# Altium PCB GameBoard_V1I1.PcbDoc (part 18 of 22)
Units mil, origin at the board's own origin, x right, y up, seen from the top; angles counter-clockwise.
Board outline 7165.35 x 2814.96 mil, 12 copper layers (L1, L2, L3, L4, L5 (PWR), L6 (PWR), L7 (PWR), L8 (PWR), L9, L10, L11, L12), stack 61.575 mil thick; 1551 components, 1072 nets, 5467 pads, 3785 vias.
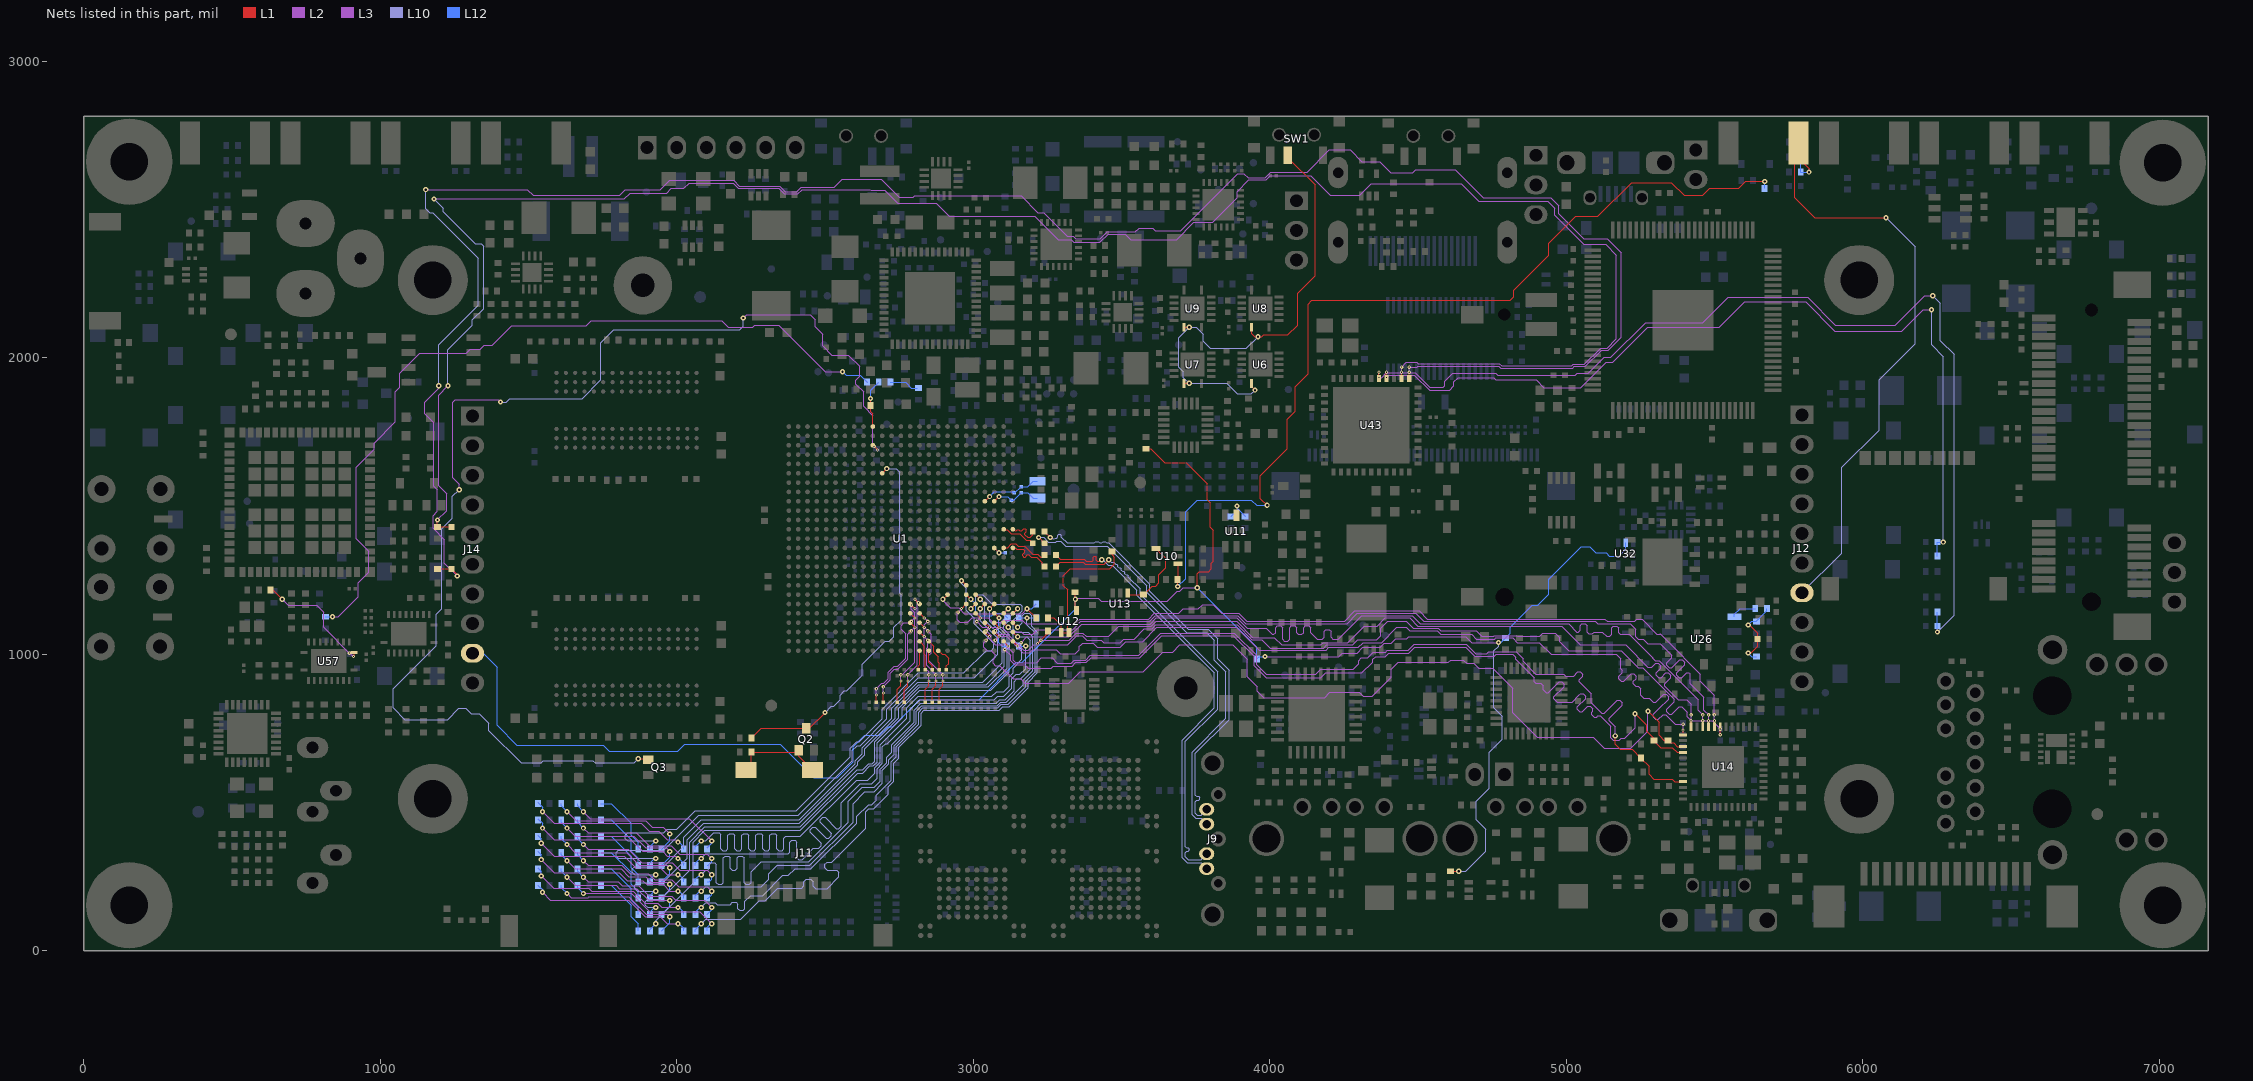
[diagram p28: the nets of this part, all layers, seen from the top]

## Via types
v1: diameter 17.72, hole 7.87, L1 to L12, 1935 vias
v2: diameter 17.72, hole 7.87, L1 to L12, tented both sides, 995 vias
v3: diameter 10.63, hole 3.94, L1 to L2, 334 vias
v4: diameter 11.81, hole 3.94, L2 to L3, 334 vias
v5: diameter 10.63, hole 3.94, L11 to L12, 94 vias
v6: diameter 11.81, hole 3.94, L10 to L11, 93 vias

## Nets (pads, with @x,y where several pads share a name; then routed paths per layer and width w, separated by ;. In a path a pad name is that pad's centre, name@x,y a point inside that pad or via, vN(x,y) a via of type N, cw(c..) or ccw(c..) an arc to the next point about the centre after c; other vN are vias at no path point) (continued)
RGMII_RXD2: R135.1 U1.B24 U14.28 | length 3084.1
  L1 w3.15: U1.B24@3102.36,1043.31 v3(3118.11,1027.56) ; v1(5232.28,799.21) 5271.65,759.84 5271.65,740.16 5295.28,716.54 R135.1@5295.28,708.66 5318.9,685.04 5358.27,685.04 5374.41,668.9 U14.28@5394.09,668.9
  L3 w3.15: v4(3106.3,1015.75) 3125.98,996.06 3125.98,977.05 3139.46,963.58 3174.21,963.58 3185.04,952.76 3262.59,952.76 3269.48,959.65 3333.66,959.65 3346.46,972.44 3381.89,972.44 3397.64,988.19 3561.39,988.19 3636.19,1062.99 3877.28,1062.99 3947.83,992.43 3947.83,960.78 3988.34,920.28 4172.24,920.28 4188.77,936.8 4310.81,936.8 4347.44,973.43 4347.44,982.49 4357.07,992.13 4390.44,992.13 4402.25,1003.94 4469.02,1003.94 4488.71,1023.62 4661.57,1023.62 4692.09,993.11 4756.89,993.11 4763.78,1000 4820.09,1000 4829.72,990.37 4829.72,983.21 4892.66,920.28 4892.66,906.55 4896.83,902.38 4905.19,902.38 4913.54,902.38 4921.89,894.03 4921.89,880.28 4933.07,869.09 4938.72,869.09 4976.25,906.63 4984.6,906.63 4992.95,898.27 4992.95,889.92 4958.66,855.63 4958.66,848.9 4968.98,838.58 5019.69,838.58 5043.9,862.8 5044.38,862.8 5048.78,867.21 5057.13,867.21 5065.48,858.86 5065.48,850.5 5037.46,822.48 5037.46,814.13 5045.81,805.78 5054.16,805.78 5073.37,824.98 5081.72,824.98 5090.07,816.63 5090.07,808.28 5085.9,804.1 5085.9,795.75 5094.25,787.4 5102.6,787.4 5106.78,791.58 5115.13,791.58 5150.59,756.12 5150.59,718.29 5159.24,709.65 5178.15,709.65 5185.04,716.54 5196.85,716.54 5232.28,751.97 v1(5232.28,799.21)
  L2 w3.15: v4(3106.3,1015.75) v3(3118.11,1027.56)
RGMII_RXD3: R134.1 U1.D23 U14.27 | length 3090.5
  L1 w3.15: U1.D23@3039.37,1074.8 v3(3055.12,1059.06) ; v1(5275.59,807.09) 5276.78,807.09 5312.99,770.88 5312.99,726.38 5330.71,708.66 R134.1@5342.52,708.66 5350.39,700.79 5362.2,700.79 5374.41,688.58 U14.27@5394.09,688.58
  L3 w3.15: v4(3043.31,1047.24) 3035.43,1039.37 3035.43,1023.62 3047.24,1011.81 3060.25,1011.81 3074.8,997.26 3074.8,989.38 3066.93,981.51 3066.93,969.44 3074.8,961.57 3089.94,961.57 3135.17,916.34 3159.66,916.34 3174.42,901.57 3321.64,901.57 3361.01,940.94 3572.83,940.94 3639.09,1007.2 3672.24,1007.2 3696.54,1031.5 3875.37,1031.5 3924.21,982.65 3924.21,924.43 3957.68,890.96 3957.68,875.77 3980.1,853.35 4185.04,853.35 4202.76,871.06 4302.17,871.06 4314.96,858.27 4346.46,858.27 4410.43,922.24 4410.43,949.8 4433.07,972.44 4602.36,972.44 4610.24,980.31 4653.54,980.31 4664.37,969.49 4687.62,969.49 4704.72,952.38 4752.35,952.38 4818.9,885.83 4818.9,803.15 4901.57,720.47 5090.55,720.47 5128.94,682.09 5217.52,682.09 5275.59,740.16 v1(5275.59,807.09)
  L2 w3.15: v4(3043.31,1047.24) v3(3055.12,1059.06)
RGMII_RXDV: R132.1 U1.D22 U14.33 | length 3088.4
  L1 w3.15: U1.D22@3039.37,1106.3 v3(3055.12,1090.55) ; v1(5165.35,724.41) 5165.35,696.85 5183.07,679.13 5222.44,679.13 R132.1@5251.97,649.61 5279.53,622.05 5279.53,594.49 5295.28,578.74 5358.27,578.74 5366.54,570.47 U14.33@5394.09,570.47
  L3 w3.15: v4(3043.31,1078.74) 3059.94,1062.11 3059.94,1045.4 3073.85,1031.5 3108.5,1031.5 3134.84,1005.16 3134.84,979.33 3142.72,971.46 3214.26,971.46 3230.01,987.2 3265.96,987.2 3283.46,969.7 3330.55,969.7 3341.17,980.31 3378.63,980.31 3394.38,996.06 3558.13,996.06 3632.93,1070.87 3880.54,1070.87 3955.71,995.7 3955.71,964.36 3987.98,932.09 4154.68,932.09 4172.4,949.8 4281.71,949.8 4300.2,968.29 4300.2,978.56 4308.85,987.2 4329.88,987.2 4349.57,1006.89 4390.96,1006.89 4396.86,1012.8 4466.75,1012.8 4487.41,1033.46 4662.87,1033.46 4695.35,1000.98 4732.59,1000.98 4739.48,1007.87 4830.71,1007.87 4854.33,984.25 4854.33,976.38 4897.64,933.07 4990.93,933.07 4997.82,926.18 5024.61,926.18 5039.37,940.94 5047.24,940.94 5055.12,933.07 5055.12,925.2 5043.31,913.39 5043.31,906.71 5083.66,866.35 5083.66,836.4 5119.42,800.65 5127.77,800.65 5172.27,845.15 5180.63,845.15 5188.98,836.8 5188.98,828.45 5144.48,783.94 5144.48,775.59 5165.35,754.71 v1(5165.35,724.41)
  L2 w3.15: v4(3043.31,1078.74) v3(3055.12,1090.55)
RGMII_TXCLK: R37.2 U14.24 | length 2681.5
  L1 w3.15: v3(3216.54,1035.43) 3251.97,1070.87 R37.2@3251.97,1078.74 ; U14.24@5421.26,755.12 v3(5421.26,775.59)
  L3 w3.15: v4(3228.35,1047.24) 3322.99,1047.24 3346.61,1070.87 3370.08,1070.87 3380.91,1060.04 3457.68,1060.04 3491.14,1093.5 3600.14,1093.5 3616.88,1110.24 3889.09,1110.24 3943.22,1056.1 4015.96,1056.1 4040.56,1031.5 4172.55,1031.5 4180.43,1039.37 4263.78,1039.37 4295.28,1070.87 4318.9,1094.49 4362.36,1094.49 4389.92,1122.05 4472.44,1122.05 4500,1094.49 4984.25,1094.49 5047.66,1031.08 5200.79,1031.08 5275.17,956.69 5288.65,956.69 5301.44,969.49 5309.8,969.49 5318.15,961.14 5318.15,952.79 5303.32,937.96 5303.32,929.61 5311.68,921.26 5320.03,921.26 5335.31,936.54 5343.66,936.54 5352.01,928.19 5352.01,919.84 5346.01,913.83 5332.13,899.95 5332.13,892.28 5377.95,846.46 5406.5,846.46 5421.26,831.69 v4(5421.26,795.28)
  L2 w3.15: v3(3216.54,1035.43) v4(3228.35,1047.24) ; v3(5421.26,775.59) v4(5421.26,795.28)
RGMII_TXD0: U1.C22 U14.19 | length 2957.1
  L1 w3.15: U1.C22@3070.87,1106.3 v3(3086.61,1090.55) ; v3(5519.69,728.35) U14.19@5519.69,755.12
  L3 w3.15: v4(3074.8,1078.74) 3085.63,1067.91 3115.93,1067.91 3171.05,1012.8 3186.02,1012.8 3204.72,1031.5 3318.38,1031.5 3348.89,1062.01 3367.8,1062.01 3382.57,1047.24 3432.33,1047.24 3440.2,1039.37 3496.06,1039.37 3507.87,1051.18 3542.44,1051.18 3576.89,1085.63 3603.4,1085.63 3616.2,1098.43 3889.76,1098.43 3939.96,1048.23 3973.81,1048.23 4001.37,1020.67 4182.09,1020.67 4192.91,1031.5 4279.53,1031.5 4296.26,1048.23 4360.45,1048.23 4375,1062.78 4375,1087.6 4397.64,1110.24 4460.63,1110.24 4484.25,1086.61 4568.92,1086.61 4576.8,1078.74 4696.85,1078.74 4715.55,1060.04 4754.92,1060.04 4757.87,1062.99 4833.45,1062.99 4836.4,1060.04 4910.43,1060.04 4921.26,1070.87 4962.6,1070.87 4978.35,1055.12 4978.35,1041.34 5007.87,1011.81 5185.87,1011.81 5242.9,954.78 5257.82,954.78 5364.47,848.13 5364.47,839.78 5338.69,814 5338.69,805.65 5347.05,797.3 5355.4,797.3 5381.17,823.07 5389.53,823.07 5408.46,804.13 5408.46,788.39 5421.26,775.59 5492.13,775.59 v4(5519.69,748.03)
  L2 w3.15: v4(3074.8,1078.74) v3(3086.61,1090.55) ; v3(5519.69,728.35) v4(5519.69,748.03)
RGMII_TXD1: U1.F20 U14.20 | length 2953.2
  L1 w3.15: v3(2960.63,1153.54) U1.F20@2976.38,1169.29 ; U14.20@5500,755.12 v3(5500,775.59)
  L3 w3.15: v4(2948.82,1141.73) 2945.87,1138.78 2945.87,1115.93 2954.51,1107.28 2981.3,1107.28 2996.06,1122.05 3051.18,1122.05 3065.94,1107.28 3092.73,1107.28 3099.62,1114.17 3165.35,1114.17 3177.17,1102.36 3343.87,1102.36 3359.62,1118.11 3591.34,1118.11 3611.03,1137.8 3693.56,1137.8 3708.33,1152.56 3759.02,1152.56 3773.76,1167.3 3809.08,1167.3 3838.58,1137.8 3895.49,1137.8 3922.06,1111.22 4252.95,1111.22 4287.4,1145.67 4503.94,1145.67 4531.5,1118.11 5129.92,1118.11 5137.8,1110.24 5231.09,1110.24 5237.98,1117.13 5255.7,1117.13 5304.91,1067.91 5317.14,1067.91 5317.53,1068.3 5390.75,995.08 5390.75,993.88 5399.4,985.24 5400.59,985.24 5452.76,933.07 5452.76,909.45 5500,862.2 v4(5500,795.28)
  L2 w3.15: v4(2948.82,1141.73) v3(2960.63,1153.54) ; v3(5500,775.59) v4(5500,795.28)
RGMII_TXD2: U1.E21 U14.21 | length 2960.7
  L1 w3.15: U1.E21@3007.87,1137.8 v3(3023.62,1122.05) ; U14.21@5480.32,755.12 v3(5480.32,775.59)
  L3 w3.15: v4(3011.81,1110.24) 3030.51,1091.54 3096.25,1091.54 3112,1075.79 3161.63,1075.79 3170.49,1066.93 3200.79,1066.93 3216.54,1082.68 3335.32,1082.68 3362.88,1110.24 3594.6,1110.24 3614.29,1129.92 3892.23,1129.92 3918.8,1103.35 4260.83,1103.35 4295.28,1137.8 4492.13,1137.8 4519.69,1110.24 5098.43,1110.24 5106.3,1102.36 5216.54,1102.36 5234.55,1084.35 5234.55,1058.58 5242.9,1050.23 5251.25,1050.23 5259.6,1050.23 5275.38,1034.45 5317.14,1034.45 5355.67,995.92 5355.67,987.57 5339.46,971.36 5339.46,963.01 5347.82,954.66 5356.17,954.66 5383.33,981.82 5391.68,981.82 5400.03,973.47 5400.03,965.12 5372.87,937.95 5372.87,929.6 5381.22,921.25 5389.57,921.25 5405.78,937.46 5414.13,937.46 5418.31,933.28 5418.31,900.59 5464.57,854.33 5464.57,811.02 v4(5480.32,795.28)
  L2 w3.15: v4(3011.81,1110.24) v3(3023.62,1122.05) ; v3(5480.32,775.59) v4(5480.32,795.28)
RGMII_TXD3: U1.A24 U14.22 | length 2960.2
  L1 w3.15: U1.A24@3133.86,1043.31 v3(3149.61,1027.56) ; U14.22@5460.63,755.12 v3(5460.63,775.59)
  L3 w3.15: v4(3161.42,1039.37) 3181.1,1059.06 3322.83,1059.06 3365.16,1101.38 3596.88,1101.38 3617.55,1122.05 3888.97,1122.05 3924.4,1086.61 3988.19,1086.61 4007.87,1066.93 4013.78,1066.93 4019.69,1072.83 4019.69,1089.57 4025.59,1095.47 4037.4,1095.47 4043.31,1089.57 4043.31,1050.2 4049.21,1044.29 4061.02,1044.29 4066.93,1050.2 4066.93,1089.57 4072.83,1095.47 4084.65,1095.47 4090.55,1089.57 4090.55,1072.83 4096.46,1066.93 4108.27,1066.93 4114.17,1072.83 4114.17,1089.57 4120.08,1095.47 4131.89,1095.47 4137.8,1089.57 4137.8,1072.83 4159.45,1051.18 4177.16,1051.18 4183.07,1057.09 4183.07,1077.26 4188.98,1083.17 4200.79,1083.17 4206.69,1077.26 4206.69,1057.09 4212.6,1051.18 4231.09,1051.18 4309.83,1129.92 4480.31,1129.92 4507.87,1102.36 5007.87,1102.36 5035.43,1074.8 5041.34,1074.8 5047.24,1080.71 5047.24,1096.46 5053.15,1102.36 5064.96,1102.36 5070.87,1096.46 5070.87,1074.55 5076.77,1068.65 5088.58,1068.65 5094.74,1074.8 5122.05,1074.8 5136.36,1060.49 5147.64,1060.49 5153.54,1066.4 5153.54,1088.58 5159.45,1094.49 5171.26,1094.49 5177.17,1088.58 5177.17,1072.83 5183.07,1066.93 5212.6,1066.93 5292.32,987.2 5292.32,986.01 5300.97,977.36 5313.98,977.36 5444.88,846.46 5444.88,811.02 v4(5460.63,795.28)
  L2 w3.15: v3(3149.61,1027.56) v4(3161.42,1039.37) ; v3(5460.63,775.59) v4(5460.63,795.28)
RGMII_TXEN: U1.C23 U14.25 | length 2953.3
  L1 w3.15: U1.C23@3070.87,1074.8 v3(3086.61,1059.06) ; U14.25@5394.09,727.95 v3(5394.09,743.7)
  L3 w3.15: v4(3074.8,1047.24) 3087.56,1060 3112.71,1060 3167.79,1004.92 3189.96,1004.92 3200.79,1015.75 3279.53,1015.75 3294.29,1000.98 3344.7,1000.98 3358.27,1014.55 3358.27,1026.44 3364.31,1032.48 3364.38,1032.48 3368.53,1036.63 3405.51,1036.63 3418.52,1023.62 3496.06,1023.62 3514.76,1042.32 3533.67,1042.32 3533.72,1042.27 3571.18,1042.27 3619.46,1090.55 3886.5,1090.55 3964.26,1012.8 4189.96,1012.8 4199.8,1022.64 4298.23,1022.64 4314.96,1039.37 4377.28,1039.37 4428.46,1090.55 4460.63,1090.55 4472.44,1078.74 4565.66,1078.74 4577.47,1066.93 4681.1,1066.93 4696.85,1051.18 4759.17,1051.18 4763.1,1055.12 4818.9,1055.12 4834.65,1039.37 4909.45,1039.37 4948.82,1000 5168.06,1000 5183.8,984.25 5183.8,950.05 5188.35,945.51 5188.35,937.16 5176.7,925.51 5176.7,917.16 5185.05,908.81 5193.4,908.81 5209.23,924.63 5219.23,934.63 5227.58,934.63 5235.93,926.28 5235.93,917.93 5225.93,907.93 5225.93,900.04 5234.75,891.23 5242.63,891.23 5250.98,882.87 5250.98,861.99 5261.6,851.38 5279.74,851.38 5293.25,837.87 5301.6,837.87 5328.42,864.69 5336.77,864.69 5345.12,856.34 5345.12,847.99 5314.12,816.99 5294.33,797.19 5294.33,788.84 5302.68,780.49 5311.03,780.49 5326.65,796.11 5335,796.11 5367.73,763.39 v4(5394.09,763.39)
  L2 w3.15: v4(3074.8,1047.24) v3(3086.61,1059.06) ; v3(5394.09,743.7) v4(5394.09,763.39)
RST_BTN_HDR: J12.7 R425.1 R426.1 R427.2 SW23.2 | length 2153.3
  L1 w3.15: v1(5818.9,2625.98) 5818.9,2637.8 5771.65,2685.04 5771.65,2539.37 5838.58,2472.44 v1(6078.74,2472.44)
  L10 w3.15: J12.7@5795.28,1207.09 5929.13,1340.94 5929.13,1629.92 6055.12,1755.91 6055.12,1925.2 6177.17,2047.24 6177.17,2374.02 v1(6078.74,2472.44)
  L12 w3.15: R425.1@5791.34,2728.35 R427.2@5791.34,2625.98 v1(5818.9,2625.98)
RSTINn: R88.1 R429.2 U10.1 | length 3201.6
  L1 w3.15: v1(3689.85,1228.35) 3688.98,1229.22 R88.1@3688.98,1251.97 3690.94,1253.94 U10.1@3690.94,1305.12 ; v1(3991.14,1501.97) 3968.5,1524.61 3968.5,1602.36 4059.06,1692.91 4059.06,1792.53 4086.61,1820.09 4086.61,1902.77 4129.92,1946.08 4129.92,2181.1 4141.73,2192.91 4811.02,2192.91 4822.83,2204.72 4822.83,2227.36 4940.94,2345.47 4940.94,2385.83 5031.5,2476.38 5106.3,2476.38 5220.47,2590.55 5354.33,2590.55 5397.64,2547.24 5460.63,2547.24 5484.25,2570.87 5582.68,2570.87 5606.3,2594.49 v1(5669.29,2594.49)
  L12 w3.15: v1(3689.85,1228.35) 3716.54,1255.04 3716.54,1480.31 3755.91,1519.68 3938.27,1519.68 3955.98,1501.97 v1(3991.14,1501.97) ; R429.2@5669.29,2570.87 v1(5669.29,2594.49)
RSTINn_BUFF: R89.1 U10.4 U13.1 | length 262.9
  L1 w3.15: U13.1@3521.65,1206.69 3527.56,1200.79 R89.1@3574.8,1200.79 3598.43,1224.41 3603.35,1229.33 3615.16,1229.33 3625.98,1240.16 3625.98,1267.72 3649.61,1291.34 3649.61,1322.83 U10.4@3616.14,1356.3
RSTOUTn: J14.9 R101.2 R189.2 R268.1 R271.2 R322.2 U12.4 U32.2 | length 6524
  L1 w3.15: R101.2@3342.52,1208.66 3344.49,1206.69 v1(3344.49,1185.04) 3344.49,1151.57 U12.4@3348.43,1147.64 ; R268.1@3582.68,1692.91 3598.43,1692.91 3645.67,1645.67 3718.6,1645.67 3789.37,1574.9 3789.37,1520.67 3799.21,1510.83 3799.21,1428.15 3810.04,1417.32 3810.04,1313.98 3803.15,1307.09 3803.15,1287.4 3794.19,1278.44 3762.69,1278.44 3755.91,1271.65 v1(3755.91,1224.41) ; R322.2@4610.24,267.72 v1(4637.8,267.72)
  L3 w3.15: v1(3344.49,1185.04) 3347.17,1182.36 3353.78,1188.98 3421.26,1188.98 3432.09,1178.15 3653.85,1178.15 3688.3,1212.6 3696.85,1212.6 3708.66,1224.41 v1(3755.91,1224.41) ; v1(3984.25,992.13) 4232.28,992.13 4244.09,1003.94 4295.28,1003.94 4313.98,1022.64 4371.95,1022.64 4385.73,1036.42 4409.66,1036.42 4425.41,1052.17 4462.81,1052.17 4469.7,1059.06 4661.42,1059.06 4681.1,1039.37 v1(4771.65,1039.37)
  L10 w3.15: v1(4637.8,267.72) 4661.42,267.72 4728.35,334.65 4728.35,409.45 4696.85,440.94 4696.85,503.94 4740.16,547.24 4740.16,669.29 4783.46,712.6 4783.46,791.34 4755.91,818.9 4755.91,1011.81 4771.65,1027.56 v1(4771.65,1039.37)
  L12 w3.15: J14.9@1330.71,1007.09 1343.31,1007.09 1393.7,956.69 1393.7,759.84 1460.63,692.91 1751.97,692.91 1771.65,673.23 2003.94,673.23 2027.56,696.85 2348.39,696.85 2462.57,582.68 2540.75,582.68 2594.49,636.41 2594.49,687.6 2633.26,726.38 2683.07,726.38 2712.6,755.91 2728.35,755.91 2818.9,846.46 3019.69,846.46 3145.67,972.44 3165.35,972.44 3344.49,1151.57 v1(3344.49,1185.04) ; v1(3755.91,1224.41) 3956.69,1023.62 R271.2@3956.69,984.25 3964.57,992.13 v1(3984.25,992.13) ; v1(4771.65,1039.37) 4779.53,1039.37 R189.2@4795.28,1055.12 4810.53,1070.37 4810.53,1090.06 4885.83,1165.35 4903.54,1165.35 4940.94,1202.76 4940.94,1251.97 5051.18,1362.2 5078.74,1362.2 5099.41,1341.54 5134.84,1341.54 5145.67,1330.71 5177.17,1330.71 5200.79,1354.33 U32.2@5200.79,1375.98
RSTOUTn_BUFF: R96.2 R98.2 U12.1 U12.2 | length 539.5
  L1 w3.15: R98.2@3251.97,1122.05 3271.65,1122.05 3297.24,1096.46 U12.1@3297.24,1072.83 U12.2@3322.83,1072.83 3318.9,1076.77 3318.9,1216.54 3304.13,1231.3 3304.13,1264.76 3326.77,1287.4 3460.63,1287.4 3476.38,1303.15 3476.38,1326.77 3468.5,1334.65 R96.2@3468.5,1346.46
RSTOUTn_R: R92.1 R98.1 U1.H19 | length 417.4
  L1 w3.15: v2(2897.64,1185.04) U1.H19@2913.39,1200.79 ; v2(3181.1,1153.54) R98.1@3212.6,1122.05
  L3 w3.15: v2(2897.64,1185.04) 2897.64,1181.78 2922.99,1156.42 2950.84,1156.42 2970.44,1136.81 3164.89,1136.81 3181.1,1153.03 v2(3181.1,1153.54)
  L12 w3.15: v2(3181.1,1153.54) 3196.85,1153.54 R92.1@3212.6,1169.29
RTC_XTALI: C94.1 R78.1 U1.D9 Y2.1 | length 207.4
  L1 w3.15: U1.D9@3039.37,1515.75 v1(3055.12,1531.5)
  L12 w3.15: v1(3055.12,1531.5) 3070.87,1547.24 3135.24,1547.24 C94.1@3137.8,1544.69 3140.55,1544.69 R78.1@3161.42,1565.55 3183.66,1565.55 3201.77,1583.66 Y2.1@3216.54,1583.66
RTC_XTALO: C95.1 R78.2 U1.C9 Y2.2 | length 174.9
  L1 w3.15: U1.C9@3070.87,1515.75 v1(3086.61,1531.5)
  L12 w3.15: v1(3086.61,1531.5) 3116.73,1531.5 C95.1@3128.54,1519.69 3136.42,1519.69 R78.2@3161.42,1544.69 3183.66,1544.69 3201.77,1526.58 Y2.2@3216.54,1526.58
SATA_C_RX_N: C88.1 U1.A14 | length 162.5
  L1 w3.54: U1.A14@3133.86,1358.27 3135.39,1356.74 3143.9,1356.74 3147.09,1353.54 3169.22,1353.54 3174.21,1348.55 3174.21,1344.49 3166.34,1336.61 3166.34,1331.69 3170.28,1327.76 3175.2,1327.76 3182.64,1335.2 3187.56,1335.2 3196.17,1326.6 3213.9,1326.6 3232.09,1308.41 3232.09,1303.35 C88.1@3240.16,1295.28
SATA_C_RX_P: C89.1 U1.B14 | length 164.6
  L1 w3.54: U1.B14@3102.36,1358.27 3103.26,1359.17 3115.55,1359.17 3128.23,1371.85 3142.98,1371.85 3151.45,1363.39 3173.58,1363.39 3200.32,1336.64 3218.06,1336.64 3227.08,1327.62 3233.14,1327.62 C89.1@3240.16,1334.65
SATA_C_TX_N: C90.1 U1.B12 | length 118
  L1 w3.54: U1.B12@3102.36,1421.26 3104.7,1418.93 3115.09,1418.93 3128.5,1405.51 3157.06,1405.51 3178.91,1383.66 3191.14,1383.66 C90.1@3200.79,1374.02
SATA_C_TX_P: C91.1 U1.A12 | length 118.3
  L1 w3.54: U1.A12@3133.86,1421.26 3139.54,1415.58 ; 3139.54,1415.55 3144.68,1415.55 3148.43,1419.29 3152.76,1419.29 3156.5,1415.55 3163.58,1415.55 3170.28,1422.24 3176.18,1422.24 3179.13,1419.29 3179.13,1413.39 3174.21,1408.46 3174.21,1402.56 3183.07,1393.7 3191.93,1393.7 3200.79,1402.56 C91.1@3200.79,1413.39
SATA_REXT: R41.2 U1.C14 | length 43.3
  L1 w3.15: U1.C14@3070.87,1358.27 v2(3086.61,1342.52)
  L12 w3.15: v2(3086.61,1342.52) R41.2@3107.68,1342.52
SATA_RX_N: C88.2 J9.5 | length 1504.7
  L1 w3.54: C88.2@3279.53,1295.28 3294.19,1309.94 3370.74,1309.94 3377.27,1303.42 3441.21,1303.42 v2(3456.69,1318.9)
  L10 w3.35: v2(3456.69,1318.9) 3465.35,1310.24 3473.23,1310.24 3480.31,1303.15 3484.25,1303.15 3488.19,1299.21 3488.19,1295.28 3492.13,1291.34 3496.06,1291.34 3500,1287.4 3500,1283.46 3503.94,1279.53 3507.87,1279.53 3511.81,1275.59 3511.81,1271.65 3515.75,1267.72 3519.68,1267.72 3523.62,1263.78 3523.62,1259.84 3562.99,1220.47 3562.99,1202.6 3824.41,941.18 3824.41,814.31 3715.75,705.64 3715.75,350.39 3719.69,346.46 3724.41,346.46 3728.35,342.52 3728.35,338.58 3724.41,334.65 3720.47,334.65 3715.75,329.92 3715.75,317.3 3725.77,307.28 3768.25,307.28 3787.4,326.44 J9.5@3787.4,326.77
SATA_RX_P: C89.2 J9.6 | length 1519.2
  L1 w3.54: C89.2@3279.53,1334.65 3294.19,1319.98 3374.9,1319.98 3381.43,1313.46 3401.57,1313.46 3404.53,1316.41 3404.53,1326.77 3407.48,1329.72 3412.4,1329.72 3415.35,1326.77 3415.35,1316.41 3418.31,1313.46 3427.63,1313.46 v2(3433.07,1318.9)
  L10 w3.35: v2(3433.07,1318.9) 3436.23,1318.9 3455.92,1299.21 3468.66,1299.21 3551.97,1215.91 3551.97,1198.03 3813.39,936.62 3813.39,818.87 3704.72,710.21 3704.72,312.74 3721.2,296.26 3768.25,296.26 3775.59,288.92 J9.6@3775.59,258.66
SATA_TX_N: C90.2 J9.3 | length 1494.5
  L1 w3.54: v2(3220.47,1393.7) C90.2@3240.16,1374.02
  L10 w3.35: v2(3220.47,1393.7) 3237.74,1393.7 3253.79,1377.66 3278.46,1377.66 3281.41,1380.61 3295.94,1380.61 3312.28,1364.27 3452.4,1364.27 3585.04,1231.63 3585.04,1208.27 3720.67,1072.64 3787.34,1072.64 3813.09,1046.89 3813.09,980.22 3852.36,940.94 3852.36,784.03 3738.29,669.96 3738.29,458.72 3750.75,446.26 3768.25,446.26 3787.4,427.11 J9.3@3787.4,426.77
SATA_TX_P: C91.2 J9.2 | length 1496
  L1 w3.54: C91.2@3240.16,1413.39 v2(3259.84,1393.7)
  L10 w3.35: v2(3259.84,1393.7) 3263.73,1393.7 3268.75,1388.68 3273.89,1388.68 3276.84,1391.63 3281.5,1391.63 3285.43,1395.57 3285.43,1401.57 3288.39,1404.53 3294.29,1404.53 3297.24,1401.57 3297.24,1394.89 3316.84,1375.29 3407.77,1375.29 3412.4,1379.92 3421.26,1379.92 3425.89,1375.29 3433.37,1375.29 3437.99,1379.92 3445.18,1379.92 3449.8,1375.29 3456.96,1375.29 3596.06,1236.2 3596.06,1212.83 3725.24,1083.66 3791.9,1083.66 3824.11,1051.45 3824.11,984.78 3863.39,945.51 3863.39,779.47 3749.31,665.39 3749.31,524.61 3753.25,520.67 3759.84,520.67 3763.78,516.73 3763.78,510.83 3759.84,506.89 3753.25,506.89 3749.31,502.95 3749.31,463.29 3755.31,457.28 3768.25,457.28 3787.4,476.44 J9.2@3787.4,476.77
SD1_CLK: R601.2 R602.2 U1.D20 | length 1990
  L1 w3.15: v2(3023.62,1153.54) U1.D20@3039.37,1169.29
  L10 w3.15: v1(1929.13,311.02) 1803.15,311.02 1795.28,318.9 1795.28,330.71 1803.15,338.58 1955.5,338.58 2073.61,456.69 2409.45,456.69 2592.52,639.76 2592.52,676.39 2608.06,691.93 2618.11,691.93 2708.66,782.48 2708.66,814.96 2814.96,921.26 3003.94,921.26 3082.68,1000 3082.68,1054.05 3023.62,1113.11 v2(3023.62,1153.54)
  L12 w3.15: R601.2@1909.45,287.4 1909.45,295.28 v1@1929.13,314.96
SD1_CLK_BOOT: R601.1 R618.1 | length 226.5
  L12 w3.94: R618.1@1744.09,440.95 1779.53,440.95 1846.46,374.02 1846.46,334.65 1870.08,311.02 R601.1@1870.08,287.4
SD1_CLK_WIFI: R572.1 R602.1 | length 473.4
  L3 w3.15: v1(1629.92,413.39) 1657.48,385.83 1855.31,385.83 1894.69,346.46 1964.57,346.46 v1(1976.38,334.65)
  L12 w3.15: R572.1@1610.24,440.94 1610.24,433.07 v1(1629.92,413.39) ; R602.1@1948.82,287.4 1976.38,314.96 v1(1976.38,334.65)
SD1_CMD: R599.2 R600.2 U1.B21 | length 1991.1
  L1 w3.15: U1.B21@3102.36,1137.8 v2(3118.11,1153.54)
  L10 w3.15: v1(1929.13,145.67) 1901.57,145.67 1893.7,153.54 1893.7,165.35 1901.57,173.23 1946.08,173.23 2043.31,270.46 2043.31,366.14 2094.49,417.32 2415.97,417.32 2608.89,610.24 2627.18,610.24 2647.85,630.91 2659.66,630.91 2668.31,639.55 2668.31,705.09 2748.03,784.82 2748.03,818.22 2819.57,889.76 3051.18,889.76 3114.17,952.76 3114.17,1062.47 3090.55,1086.1 3090.55,1105.11 3106.3,1120.85 3106.3,1141.73 v2(3118.11,1153.54)
  L12 w3.15: R599.2@1909.45,122.05 1909.45,129.92 v1@1929.13,149.61
SD1_CMD_BOOT: R599.1 R616.1 | length 226.5
  L12 w3.94: R616.1@1744.09,275.59 1779.53,275.59 1846.46,208.66 1846.46,169.29 1870.08,145.67 R599.1@1870.08,122.05